# Altium PCB PCB.PcbDoc
Units mil, origin at the board's own origin, x right, y up, seen from the top; angles counter-clockwise.
Board outline 2740 x 3900 mil, 2 copper layers (Top Layer, Bottom Layer); 91 components, 86 nets, 336 pads, 113 vias.
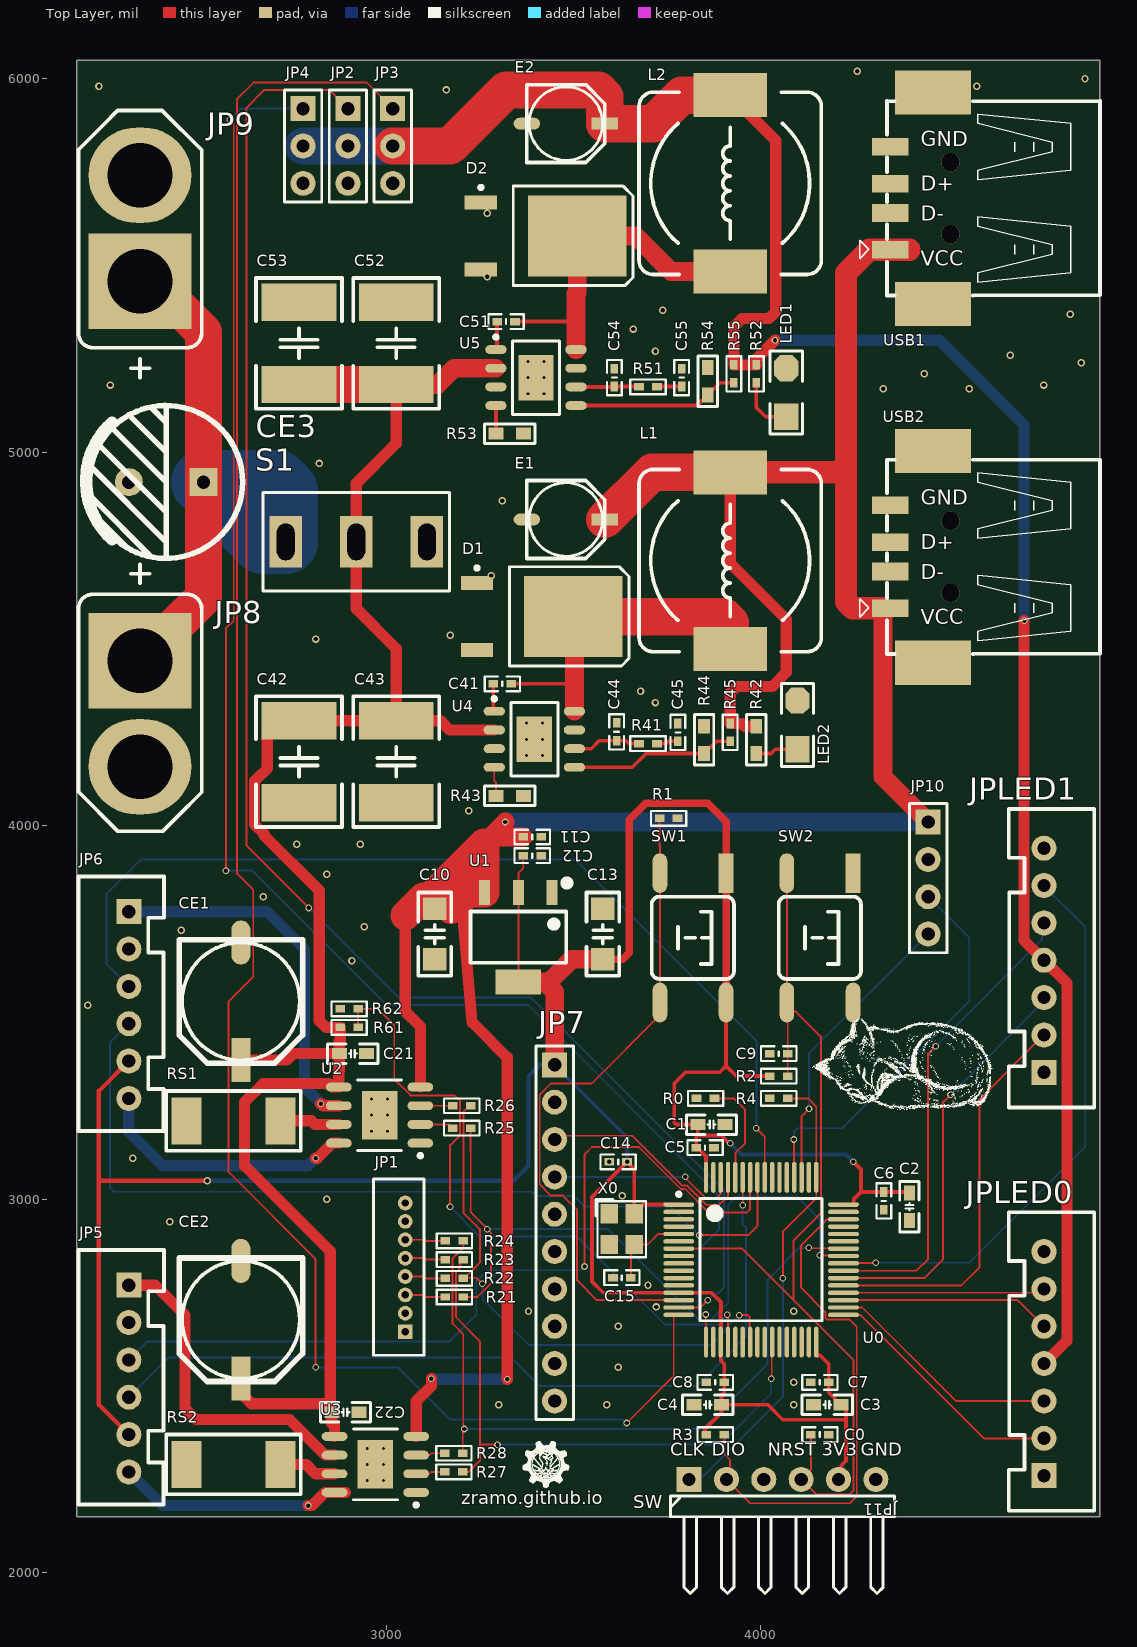
[diagram p0: Top Layer view]
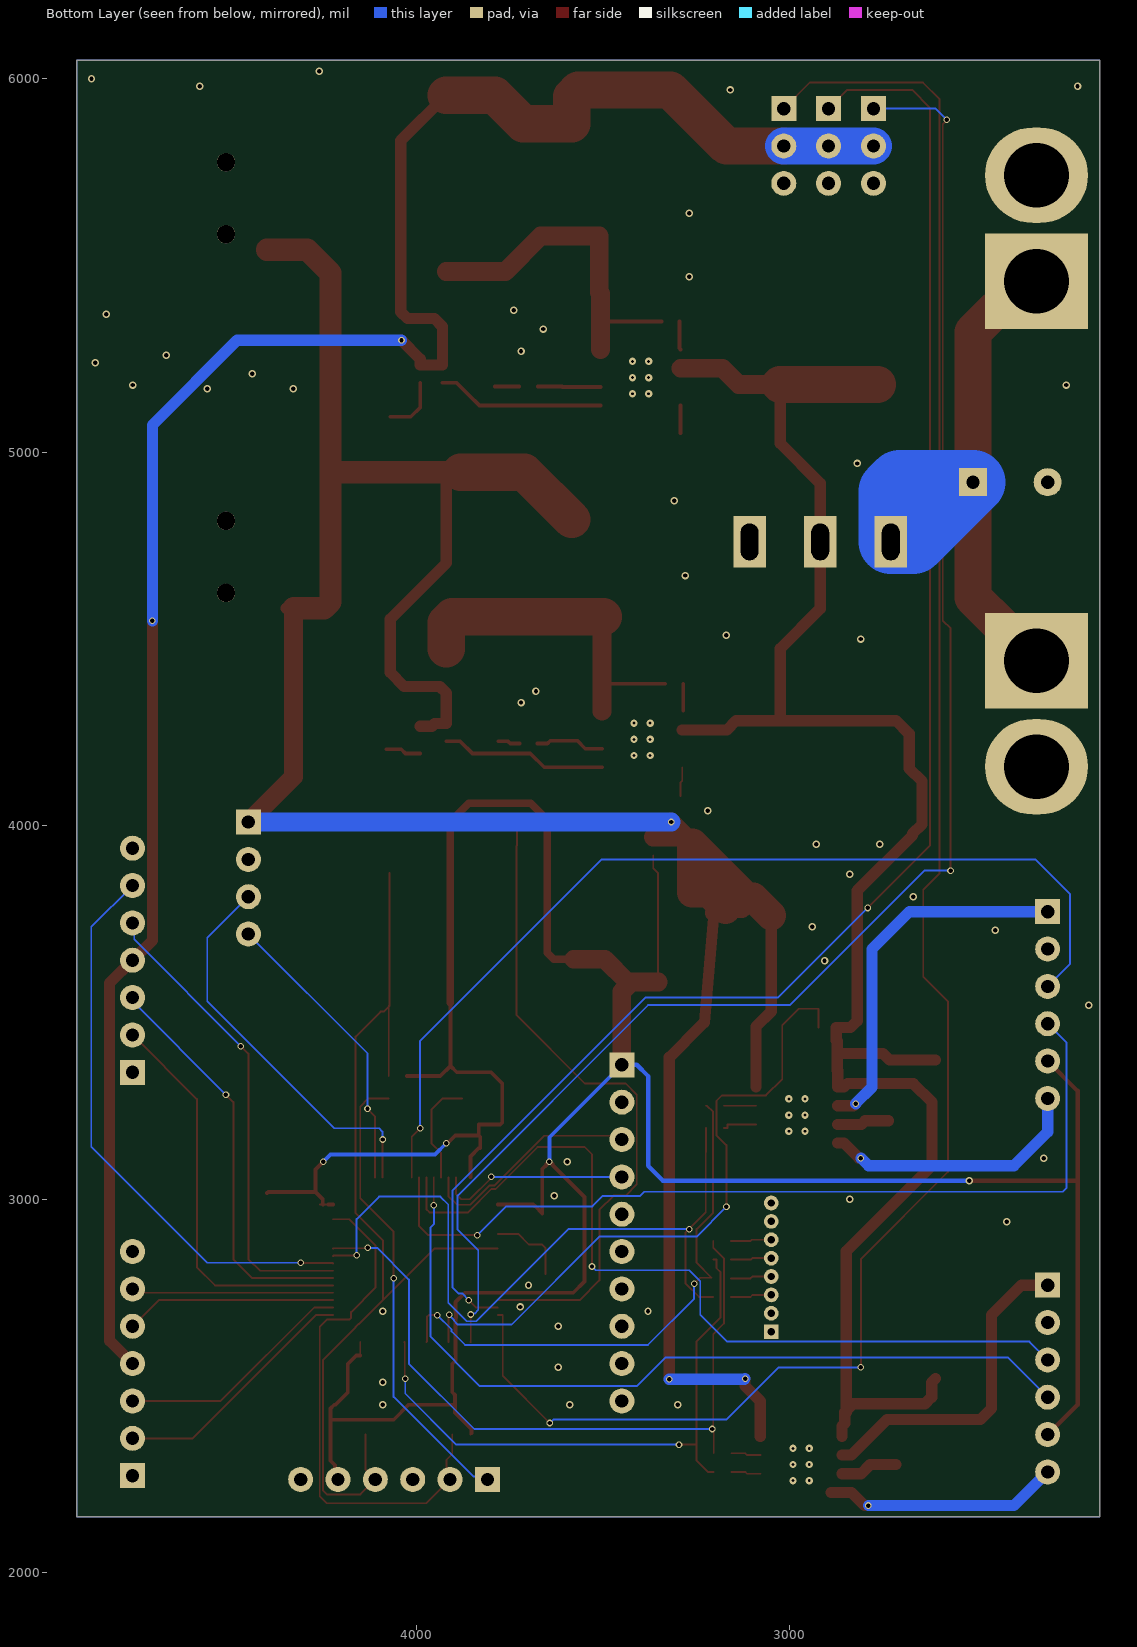
[diagram p1: Bottom Layer view, seen from below]

## Layer stack, top to bottom
Top Solder: solder mask 0.4, Solder Resist, Dk 3.5
Top Layer: signal copper 1.4
Dielectric 1: dielectric 12.6, FR-4, Dk 4.8
Bottom Layer: signal copper 1.4
Bottom Solder: solder mask 0.4, Solder Resist, Dk 3.5

## Board outline
2170,2150 2170,6050 4910,6050 4910,2150

## Design rules (kind name [scope] priority, off if disabled: settings)
Clearance [All] p1: gap=4 ignorepadtopadclearanceinfootprint=FALSE
HoleSize [All] p1: absolutevalues=TRUE maxlimit=248.03 minlimit=0.98 maxpercent=80.000 minpercent=20.000
MinimumSolderMaskSliver [All] p1: minsoldermaskwidth=1.8
PlaneConnect [All] p1: planeconnectstyle=Direct reliefexpansion=20 reliefentries=4 reliefconductorwidth=10 reliefairgap=10
PolygonConnect [All] p1: connectstyle=Direct reliefconductorwidth=10 reliefentries=4 polygonreliefangle="90 Angle" airgapwidth=10
RoutingVias [All] p1: holewidth=11.81 width=17.72 viastyle="Through Hole" minholewidth=11.81 minwidth=17.72 maxholewidth=28 maxwidth=50
SMDNeckDown [All] p1: percent=1000.000
SilkToSilkClearance [All] p1: silktosilkclearance=0
SilkToSolderMaskClearance [IsPad] p1: minsilkscreentomaskgap=0 clearancetoexposedcopper=TRUE
SolderMaskExpansion [All] p1: expansion=4 istentingtop=FALSE
Width WidthSignal [InNetClass('Signal')] p1: maxlimit=1000 minlimit=4 preferedwidth=5 minimp=50.000000 maximp=50.000000 favimp=50.000000
Width WidthPower [InNetClass('POWER')] p2: maxlimit=10000 minlimit=20 preferedwidth=30
Width [All] p3: maxlimit=1000 minlimit=4 preferedwidth=5
25 further rules are at their usual default settings.

## Classes and differential pairs
net class Signal: BOOT0 GND M1A_CTRL M1B_CTRL M2A_CTRL M2B_CTRL NetC41_1 NetC41_2 NetC44_2 NetC45_2 NetC51_1 NetC51_2 NetC54_2 NetC55_2 NetCE3_1 NetJP1_3 NetJP1_4 NetJP1_5 NetJP1_6 NetLED1_1 NetLED2_1 NetR25_2 NetR26_2 NetR27_2 NetR28_2 NetR43_2 NetR44_1 NetR53_2 NetR54_1 NetRS1_2 NetRS2_2 NRST PA0_WAKEUP PA1 PA2 PA3 PA4 PA5 PA6 PA10 PA11 PA12 PA13 PA14 PA15 PB1 PB2 PB3 PB4 PB5 PB6 PB7 PB8 PB9 PB10 PB11 PB12 PB13 PB14 PB15 PC0 PC1 PC2 PC3 PC4 PC5 PC6 PC7 PC8 PC9 PC10 PC11 PC12 PC13 PC14 PC15 PD2 VCC3V3
net class POWER: 5V_DCDC 6V_DCDC A4950_1_O1 A4950_1_O2 A4950_2_O1 A4950_2_O2 VBAT
component class pin_base: C21 C22 CE1 CE2 JP1 JP2 JP3 JP4 JP5 JP6 JP7 JP10 JPLED0 JPLED1 R21 R22 R23 R24 R25 R26 R27 R28 RS1 RS2 U2 U3
component class Designator: C41 C42 C43 C44 C45 C51 C52 C53 C54 C55 CE3 D1 D2 E1 E2 JP8 JP9 L1 L2 LED1 LED2 R41 R42 R43 R44 R45 R51 R52 R53 R54 R55 R61 R62 S1 U4 U5 USB1 USB2
component class control: C0 C1 C2 C3 C4 C5 C6 C7 C8 C9 C10 C11 C12 C13 C14 C15 JP11 R0 R1 R2 R3 R4 SW1 SW2 U0 U1 X0

## Components (designator, comment, footprint, x,y, rotation, side; value= is the part's Value field where it differs from the comment)
C0 "100nF" "C 0402_M" 4160,2370 r180 top
C1 "4.7uF" "C 0603_M" 3870,3200 r180 top
C2 "4.7uF" "C 0603_M" 4400,2980 r90 top
C3 "4.7uF" "C 0603_M" 4180,2450 r0 top
C4 "4.7uF" "C 0603_M" 3860,2450 r0 top
C5 "100nF" "C 0402_M" 3852.83,3138.23 r180 top
C6 "100nF" "C 0402_M" 4331.41,2995.74 r90 top
C7 "100nF" "C 0402_M" 4160,2510 r0 top
C8 "100nF" "C 0402_M" 3880,2510 r0 top
C9 "100nF" "C 0402_M" 4050,3390 r0 top
C10 "22uF" "C 1206_M" 3129.06,3710 r90 top
C11 "100nF" "C 0402_M" 3390,3970 r180 top
C12 "100nF" "C 0402_M" 3390,3920 r180 top
C13 "22uF" "C 1206_M" 3579.06,3710 r270 top
C14 "100nF" "C 0402_M" 3620,3100 r180 top
C15 "15pF" "C 0402_M" 3630,2790 r0 top
C21 "220nF 50V" "C 0603_M" 2910,3390 r180 top
C22 "220nF 50V" "C 0603_M" 2890,2430 r180 top
C41 "100nF" "C 0402_M" 3310,4380 r180 top
C42 "10uF" "C 2220_M" 2765.76,4171.47 r90 top
C43 "10uF" "C 2220_M" 3025.76,4171.47 r90 top
C44 "43pF" "C 0402_M" 3615.76,4251.47 r270 top
C45 "1.2nF" "C 0402_M" 3780,4250 r270 top
C51 "100nF" "C 0402_M" 3320,5350 r180 top
C52 "10uF" "C 2220_M" 3025.76,5291.47 r270 top
C53 "10uF" "C 2220_M" 2765.76,5291.47 r270 top
C54 "43pF" "C 0402_M" 3610,5200 r270 top
C55 "1.2nF" "C 0402_M" 3790,5200 r270 top
CE1 "100uF/50V" "CM E(8*10.2)" 2610,3530 r270 top
CE2 "100uF/50V" "CM E(8*10.2)" 2610,2677.48 r270 top
CE3 "470uF/50V" "CAP 5.0*10*16" 2410,4920 r180 top
D1 "50WQ10FNPBF" D-PAK 3415.35,4560 r0 top
D2 "50WQ10FNPBF" D-PAK 3425.76,5578.96 r0 top
E1 "82uF/16V" "CM C(5*5.4)" 3480,4820 r0 top
E2 "82uF/16V" "CM C(5*5.4)" 3480,5880 r0 top
JP1 "HDR-1X8" "MX 1.25-LI-8P" 3050,2818.15 r90 top
JP2 "HDR-1X3" HDR2.54-LI-3P 2896.5,5820 r270 top
JP3 "HDR-1X3" HDR2.54-LI-3P 3016.5,5820 r270 top
JP4 "HDR-1X3" HDR2.54-LI-3P 2776.5,5820 r270 top
JP5 "HDR-1X6" XH2.54-LI-6P 2310,2520 r270 top
JP6 "HDR-1X6" XH2.54-LI-6P 2310,3520 r270 top
JP7 "HDR-1X10" HDR2.54-M-LI-10P 3450,2910 r270 top
JP8 "HDR-1X2" TX60-LI-S 2340,4300 r270 top
JP9 "HDR-1X2" TX60-LI-S 2340,5600 r90 top
JP10 "HDR-1X4" HDR2.54-LI-4P 4450,3860 r270 top
JP11 "HDR-1X6" HDR2.54-WI-6P 4060,2250 r0 top
JPLED0 "HDR-1X7" XH2.54-LI-7P 4760,2560 r90 top
JPLED1 "HDR-1X7" XH2.54-LI-7P 4760,3640 r90 top
L1 "15uH" CDRH127 3920,4710 r90 top
L2 "15uH" CDRH127 3920,5720 r90 top
LED1 "Red" "LED 1206R" 4070,5160 r90 top
LED2 "Green" "LED 1206G" 4100,4270 r90 top
R0 "10K" "R 0402_M" 3854,3270 r0 top
R1 "10K" "R 0402_M" 3755.06,4020 r180 top
R2 "10K" "R 0402_M" 4050,3330 r180 top
R3 "10K" "R 0402_M" 3880,2370 r180 top
R4 "10K" "R 0402_M" 4050,3270 r0 top
R21 "1K" "R 0402_M" 3181.38,2738.37 r180 top
R22 "1K" "R 0402_M" 3181.38,2788.37 r180 top
R23 "1K" "R 0402_M" 3181.38,2838.37 r180 top
R24 "1K" "R 0402_M" 3181.38,2888.37 r180 top
R25 "1K" "R 0402_M" 3201.26,3190.39 r180 top
R26 "1K" "R 0402_M" 3201.26,3250.39 r180 top
R27 "1K" "R 0402_M" 3180,2270 r180 top
R28 "1K" "R 0402_M" 3180,2320 r180 top
R41 "23K7" "R 0402_M" 3700,4220 r180 top
R42 "6.3K" "R 0603_M" 3990,4230 r270 top
R43 "270K" "R 0603_M" 3330,4080 r180 top
R44 "11K5" "R 0603_M" 3850,4230 r90 top
R45 "60K4" "R 0402_M" 3920,4250 r90 top
R51 "23K7" "R 0402_M" 3700,5175.3 r180 top
R52 "10K" "R 0402_M" 3990,5210 r270 top
R53 "270K" "R 0603_M" 3330,5050 r180 top
R54 "10K 0.1%" "R 0603_M" 3860,5190 r90 top
R55 "65K 0.1%" "R 0402_M" 3930,5210 r90 top
R61 "50K" "R 0402_M" 2900,3460 r180 top
R62 "10K" "R 0402_M" 2900,3510 r0 top
RS1 "0.25R ±1% 2W" "R 2512_M" 2590,3210 r0 top
RS2 "0.25R ±1% 2W" "R 2512_M" 2590,2290 r0 top
S1 "SW-SPDT" SS12D10 2918.98,4760 r0 top
SW1 "6x6x5" "TSW SMD-6*6*4.3" 3820,3700 r270 top
SW2 "6x6x5" "TSW SMD-6*6*4.3" 4160,3700 r270 top
U0 "STM32F103RCT6" LQFP64_M 4002.83,2838.23 r0 top
U1 "AMS1117-3V3" SOT223_L 3352.77,3701.77 r180 top
U2 "A4950" A4950 2981.26,3225.39 r180 top
U3 "A4950" A4950 2970,2290 r180 top
U4 "TPS54360DDAR" SOP127P600X170_HS-9N 3395.76,4231.47 r0 top
U5 "TPS54360DDAR" SOP127P600X170_HS-9N 3400,5200 r0 top
USB1 "USB" USB-A/S_B 4510,5680 r90 top
USB2 "USB" USB-A/S_B 4510,4720 r90 top
X0 "8M" "OSC 3225-4P" 3630,2920 r270 top

## Footprints (in the part's own frame and the unit in brackets; to place one, negate y for a bottom-side part, rotate by r counter-clockwise, add the part's x,y. Pads: shape width x height; smd on the part's side, far side on the other; paste and mask are expansions set on the pad)
A4950 [mm] "Package LJ, 8-Pin SOICN  with exposed thermal pad"
  oval 1.75x0.6 smd: 1(-2.775,1.905) 2(-2.775,0.635) 3(-2.775,-0.635) 4(-2.775,-1.905) 5(2.775,-1.905) 6(2.775,-0.635) 7(2.775,0.635) 8(2.775,1.905)
  rect 2.41x3.3 smd: 9(0,0)
  silkscreen extent -2.9,-2.4 1.5,2.88, body extent -3,-2.4 3,2.4, height 1.7
"C 0402_M" [mil] "锟睫硷拷锟斤拷锟斤拷片锟斤拷锟斤拷                                  锟皆憋拷ID:锟狡撅拷锟斤拷石"
  rect 26x20 smd: 1(-24,0) 2(24,0)
  silkscreen extent -47,-20 47,20, body extent -20,-10 20,10, height 21
"C 0603_M" [mil] "锟睫硷拷锟斤拷锟斤拷片锟斤拷锟斤拷                                锟皆憋拷ID:锟狡撅拷锟斤拷石"
  rect 40x30 smd: 1(-36.5,0) 2(36.5,0)
  silkscreen extent -68,-26 67,26, body extent -31,-16 31,16, height 32
"C 1206_M" [mil] "锟睫硷拷锟斤拷锟斤拷片锟斤拷锟斤拷"
  rect 60x62.99 smd: 1(-67.5,0) 2(67.5,0)
  silkscreen extent -112,-44 112,44, body extent -63,-32 63,32, height 48
"C 2220_M" [mil]
  rect 100x200 smd: 1(-110,0) 2(110,0)
  silkscreen extent -175,-115 175,115
"CAP 5.0*10*16" [mm] "锟脚撅拷5mm直锟斤拷10mm锟竭讹拷16mm"
  rect 1.9x1.9 hole 0.9: 1(-2.54,0)
  round 1.9 hole 0.9: 2(2.54,0)
  silkscreen extent -5.19,-5.21 5.5,5.19, body extent -5,-5 5.01,5, height 16.04
CDRH127 [mm] "12*12*8mm锟斤拷锟斤拷锟斤拷撸锟絴SOURCECOMPLIBIDENTIFIERKIND=2"
  rect 3x5 smd: 1(-6,0) 2(6,0)
  silkscreen extent -6.2,-6.2 6.2,6.2, body extent -6,-6 6,6, height 7.8
"CM C(5*5.4)" [mm] "锟斤拷片锟斤拷锟斤拷锟捷ｏ拷直锟斤拷5mm锟斤拷锟斤拷5.4mm            锟皆憋拷ID:锟狡撅拷锟斤拷石"
  rect 1.8x0.8 smd: 1(2.65,0)
  oval 1.8x0.8 smd: 2(-2.65,0)
  silkscreen extent -2.65,-2.65 2.65,2.65, body extent -2.95,-2.65 2.95,2.65, height 5.4
"CM E(8*10.2)" [mm] "锟斤拷片锟斤拷锟斤拷锟捷ｏ拷直锟斤拷8mm锟斤拷锟斤拷10.2mm        锟皆憋拷ID:锟狡撅拷锟斤拷石"
  rect 3x1.3 smd: 1(4,0)
  oval 3x1.3 smd: 2(-4,0)
  silkscreen extent -4.2,-4.2 4.2,4.2, body extent -4.5,-4.15 4.5,4.15, height 10.2
D-PAK [mm] "D-PAK  / SOT-428 / TO252 - 3"
  rect 2.2x0.95 smd: 1(-4.4,2.28) 3(-4.4,-2.28)
  rect 6.7x5.5 smd: 2(2.15,0)
  silkscreen extent -4.52,-3.35 5.94,3.43, body extent -4.47,-3.3 4.78,3.3, height 2.31
HDR2.54-LI-3P [mm] "���룬3��"
  rect 1.7x1.7 hole 0.9: 1(-2.54,0)
  round 1.7 hole 0.9: 2(0,0) 3(2.54,0)
  silkscreen extent -3.81,-1.27 3.81,1.27, body extent -3.81,-1.27 3.81,1.27, height 8.5
HDR2.54-LI-4P [mm] "���룬4��"
  rect 1.7x1.7 hole 0.9: 1(-3.81,0)
  round 1.7 hole 0.9: 2(-1.27,0) 3(1.27,0) 4(3.81,0)
  silkscreen extent -5.08,-1.27 5.08,1.27, body extent -5.08,-1.27 5.08,1.27, height 8.5
HDR2.54-M-LI-10P [mm] "��ĸ��10��"
  rect 1.7x1.7 hole 0.9: 1(-11.43,0)
  round 1.7 hole 0.9: 2(-8.89,0) 3(-6.35,0) 4(-3.81,0) 5(-1.27,0) 6(1.27,0) 7(3.81,0) 8(6.35,0) 9(8.89,0) 10(11.43,0)
  silkscreen extent -12.7,-1.27 12.7,1.27, body extent -12.7,-1.27 12.7,1.27, height 8.5
HDR2.54-WI-6P [mm] "锟斤拷锟斤拷锟斤拷耄?锟斤拷"
  rect 1.7x1.7 hole 0.9: 1(-6.35,0)
  round 1.7 hole 0.9: 2(-3.81,0) 3(-1.27,0) 4(1.27,0) 5(3.81,0) 6(6.35,0)
  silkscreen extent -7.62,-7.76 7.62,-1.14, body extent -7.62,-7.77 7.62,1.27, height 4.85
"LED 1206G" [mil] "锟斤拷色1206LED      锟皆憋拷ID:锟狡撅拷锟斤拷石"
  rect 70x65 smd: 1(-65,0)
  oct 70x65 smd: 2(65,0)
  silkscreen extent -111,-43 111,43, body extent -63,-32 63,32, height 36
"LED 1206R" [mil] "锟斤拷色1206LED       锟皆憋拷ID:锟狡撅拷锟斤拷石"
  rect 70x65 smd: 1(-65,0)
  oct 70x65 smd: 2(65,0)
  silkscreen extent -111,-43 111,43, body extent -63,-32 63,32, height 36
LQFP64_M [mm] "锟斤拷装锟斤拷锟斤拷锟斤拷锟皆憋拷 ID锟斤拷锟狡撅拷锟斤拷石 Thin QFP, 64-Leads, Body 10x10mm, Pitch 0.5mm, IPC Low Density"
  oval 2.1x0.3 smd: 1(-5.6,3.75) 2(-5.6,3.25) 3(-5.6,2.75) 4(-5.6,2.25) 5(-5.6,1.75) 6(-5.6,1.25) 7(-5.6,0.75) 8(-5.6,0.25) 9(-5.6,-0.25) 10(-5.6,-0.75) 11(-5.6,-1.25) 12(-5.6,-1.75) 13(-5.6,-2.25) 14(-5.6,-2.75) 15(-5.6,-3.25) 16(-5.6,-3.75) 33(5.6,-3.75) 34(5.6,-3.25) 35(5.6,-2.75) 36(5.6,-2.25) 37(5.6,-1.75) 38(5.6,-1.25) 39(5.6,-0.75) 40(5.6,-0.25) 41(5.6,0.25) 42(5.6,0.75) 43(5.6,1.25) 44(5.6,1.75) 45(5.6,2.25) 46(5.6,2.75) 47(5.6,3.25) 48(5.6,3.75)
  oval 0.3x2.1 smd: 17(-3.75,-5.6) 18(-3.25,-5.6) 19(-2.75,-5.6) 20(-2.25,-5.6) 21(-1.75,-5.6) 22(-1.25,-5.6) 23(-0.75,-5.6) 24(-0.25,-5.6) 25(0.25,-5.6) 26(0.75,-5.6) 27(1.25,-5.6) 28(1.75,-5.6) 29(2.25,-5.6) 30(2.75,-5.6) 31(3.25,-5.6) 32(3.75,-5.6) 49(3.75,5.6) 50(3.25,5.6) 51(2.75,5.6) 52(2.25,5.6) 53(1.75,5.6) 54(1.25,5.6) 55(0.75,5.6) 56(0.25,5.6) 57(-0.25,5.6) 58(-0.75,5.6) 59(-1.25,5.6) 60(-1.75,5.6) 61(-2.25,5.6) 62(-2.75,5.6) 63(-3.25,5.6) 64(-3.75,5.6)
  silkscreen extent -5.72,-4.15 4.15,4.57, body extent -6,-6 6,6, height 1.45
"MX 1.25-LI-8P" [mm] "锟斤拷锟斤拷11.75mm锟斤拷锟斤拷锟?.2mm锟斤拷锟竭ｏ拷4.2mm"
  rect 1x1 hole 0.5: 1(-4.385,0)
  round 1 hole 0.5: 2(-3.135,0) 3(-1.885,0) 4(-0.635,0) 5(0.615,0) 6(1.865,0) 7(3.115,0) 8(4.365,0)
  silkscreen extent -5.99,-1.27 5.99,2.16, body extent -5.87,-1.15 5.87,2.05, height 4.25
"OSC 3225-4P" [mm] "3.2*2.5*0.7mm(锟斤拷锟斤拷锟?                         锟皆憋拷ID:锟狡撅拷锟斤拷石"
  rect 1.3x1.2 smd: 1(-1.05,-0.85) 2(1.05,-0.85) 3(1.05,0.85) 4(-1.05,0.85)
  silkscreen extent -2.03,-1.75 1.91,1.65, body extent -1.6,-1.25 1.6,1.25, height 0.7
"R 0402_M" [mil] "1/16W锟斤拷片锟斤拷锟斤拷       锟皆憋拷ID:锟狡撅拷锟斤拷石"
  rect 26x20 smd: 1(-24,0) 2(24,0)
  silkscreen extent -47,-20 47,20, body extent -20,-10 20,10, height 12
"R 0603_M" [mil] "1/10W锟斤拷片锟斤拷锟斤拷                             锟皆憋拷ID:锟狡撅拷锟斤拷石"
  rect 40x31.5 smd: 1(-36.5,0) 2(36.5,0)
  silkscreen extent -68,-26 68,26, body extent -31,-16 32,16, height 16
"R 2512_M" [mm] "1W锟斤拷片锟斤拷锟斤拷  锟皆憋拷ID:锟狡撅拷锟斤拷石"
  rect 2.032x3.2 smd: 1(-3.2,0) 2(3.2,0)
  silkscreen extent -4.57,-2.03 4.57,2.03, body extent -3.2,-1.6 3.2,1.6, height 0.55
SOP127P600X170_HS-9N [mm] "SOP, 8-Leads, Body 4.90x3.90mm, Pitch 1.27mm, Thermal Pad 3.10x2.40mm, IPC Medium Density"
  oval 1.45x0.6 smd: 1(-2.725,1.905) 2(-2.725,0.635) 3(-2.725,-0.635) 4(-2.725,-1.905) 5(2.725,-1.905) 6(2.725,-0.635) 7(2.725,0.635) 8(2.725,1.905)
  rect 2.4x3.1 smd: 9(0,0)
  silkscreen extent -2.85,-2.5 1.6,2.88, body extent -2,-2.5 2,2.5, height 1.7
SOT223_L [mm] "6.4x7x1.6mm(锟斤拷锟斤拷锟?"
  rect 0.75x1.7 smd: 1(-2.3,-3.048) 2(0,-3.048) 3(2.3,-3.048)
  rect 3.1x1.7 smd: 2(0,3.048)
  silkscreen extent -3.5,-3.88 3.25,1.75, body extent -3.25,-3.51 3.25,3.51, height 1.65
SS12D10 [mm]
  rect 2.2x3.5 hole 1.2 slot 2.5 at 90 deg mask+0.07: 1(-4.8,0) 2(0,0) 3(4.8,0)
  silkscreen extent -6.35,-3.35 6.35,3.35, body extent -6.4,-3.3 6.35,3.8, height 12.5
"TSW SMD-6*6*4.3" [mm] "6*6*4.3mm"
  rect 2.7x1 smd: 1(-4.4,2.261)
  oval 2.7x1 smd: 2(-4.4,-2.239) 3(4.4,-2.239) 4(4.4,2.261)
  silkscreen extent -2.79,-2.79 2.79,2.79, body extent -4.5,-3 4.5,3, height 4.25
TX60-LI-S [mm] "锟斤拷锟斤拷16mm锟斤拷锟斤拷锟?.2mm锟斤拷锟竭ｏ拷16mm"
  rect 6.5x7 hole 4.4: 1(-3.6,0)
  oval 6.5x7 hole 4.4: 2(3.6,0)
  silkscreen extent -10.16,-4.19 8,4.19, body extent -8,-4.1 8,4.1, height 16.05
USB-A/S_B [mm] "A锟斤拷锟斤拷片母头锟斤拷"
  rect 1.2x2.5 smd: 1(-3.5,4.1) 2(-1,4.1) 3(1,4.1) 4(3.5,4.1)
  rect 3x5.15 smd: 4(-7.2,1.2) 4(7.2,1.2)
  round 1.25 hole 1.25 unplated: 7(-2.45,0) 8(2.45,0)
  silkscreen extent -6.6,-10.16 6.61,6.19, body extent -7.75,-9.9 7.75,4.8, height 6.9
XH2.54-LI-6P [mm] "锟接诧拷锟斤拷锟?P"
  rect 1.7x1.7 hole 0.9: 1(-6.35,0)
  round 1.7 hole 0.9: 2(-3.81,0) 3(-1.27,0) 4(1.27,0) 5(3.81,0) 6(6.35,0)
  silkscreen extent -8.74,-3.43 8.56,2.39, body extent -8.85,-3.3 8.85,2.4, height 7.03
XH2.54-LI-7P [mm] "锟接诧拷锟斤拷锟?P"
  rect 1.7x1.7 hole 0.9: 1(-7.62,0)
  round 1.7 hole 0.9: 2(-5.08,0) 3(-2.54,0) 4(0,0) 5(2.54,0) 6(5.08,0) 7(7.62,0)
  silkscreen extent -10.01,-3.43 10.29,2.39, body extent -10.12,-3.3 10.12,2.4, height 7.05

## Part data
C0 C1 C2 C3 C4 C5 C6 C7 C8 C9 C10 C11 C12 C13 C14 C15 C21 C22: library part C, "璐寸墖鐢靛"
C41 C51: library part C_100nF_0402, "MuRata GRM155R71C104KA88D Cap: 100 nF  Total Derated Cap: 74 nF  VDC: 16 V  ESR: 1 mΩ  Package: 0402"
C42 C43 C52 C53: library part C_10uF_100V_2220, "TDK C5750X7S2A106M230KB Cap: 10 µF  Total Derated Cap: 6.4 µF  VDC: 100 V  ESR: 5 mΩ  Package:"
C44 C54: library part C_43pF_0402, "MuRata GRM1555C1H430JA01D Cap: 43 pF  Total Derated Cap: 43 pF  VDC: 50 V  ESR: 1 mΩ  Package: 0402"
C45 C55: library part C_1.2nF_0402, "MuRata GRM155R71H122KA01D Cap: 1.2 nF  Total Derated Cap: 1.2 nF  VDC: 50 V  ESR: 1 mΩ  Package: 0402"
CE1 CE2: library part CE_SMD, "璐寸墖鐢佃В鐢靛"
CE3: library part CE, "鐩存彃鐢佃В鐢靛"
D1 D2: library part "Diode Schottky_100V_5.5A", "Vishay-Semiconductor 50WQ10FNPBF Type: Schottky  VRRM: 100 V  Io: 5.5 A", Imax=500mA, Price(RMB)=0.000, Published=8-Jun-2000, Publisher="Altium Limited", Revision="July-2002: Re-released for DXP Platform."
E1 E2: library part CE_SMD_82uF_16V, "Panasonic 16SVPF82M Cap: 82 µF  Total Derated Cap: 82 µF  VDC: 16 V  ESR: 27 mΩ  Package: 5x5.9"
JP1: library part "Header 8_1.25", "8P鎺ユ彃浠秥FOOTPRINTDESCRIPTION=锟斤拷锟斤拷11.75mm锟斤拷锟斤拷锟?.2mm锟斤拷锟竭ｏ拷4.2mm"
JP2 JP3 JP4: library part "Header 3", "3P鎺ユ彃浠秥FOOTPRINTDESCRIPTION=锟斤拷锟诫，3锟斤拷"
JP5 JP6: library part "Header 6", "6P鎺ユ彃浠秥FOOTPRINTDESCRIPTION=锟接诧拷锟斤拷锟?P", BOM鍚嶇О=6P鎺ユ彃浠秥ISIMPORTED=TRUE, 瀛︿範璧勬簮=https://shop463601444.taobao.com, 鐗堟潈褰掑睘=灏佽搴撴潵鑷窐瀹?ID锛氶粍鏅跺疂鐭硘ISIMPORTED=TRUE
JP7: library part "Header 10", "10P鎺ユ彃浠秥FOOTPRINTDESCRIPTION=锟斤拷母锟斤拷10锟斤拷"
JP8 JP9: library part "Header 2", "2P鎺ユ彃浠秥FOOTPRINTDESCRIPTION=锟斤拷锟斤拷16mm锟斤拷锟斤拷锟?.2mm锟斤拷锟竭ｏ拷16mm"
JP10: library part "Header 4", "4P鎺ユ彃浠秥FOOTPRINTDESCRIPTION=锟斤拷锟诫，4锟斤拷", BOM鍚嶇О=4P鎺ユ彃浠秥ISIMPORTED=TRUE, 瀛︿範璧勬簮=https://shop463601444.taobao.com, 鐗堟潈褰掑睘=灏佽搴撴潵鑷窐瀹?ID锛氶粍鏅跺疂鐭硘ISIMPORTED=TRUE
JP11: library part "Header 6", "6P鎺ユ彃浠秥FOOTPRINTDESCRIPTION=锟斤拷锟斤拷锟斤拷耄?锟斤拷", BOM鍚嶇О=6P鎺ユ彃浠秥ISIMPORTED=TRUE, 瀛︿範璧勬簮=https://shop463601444.taobao.com, 鐗堟潈褰掑睘=灏佽搴撴潵鑷窐瀹?ID锛氶粍鏅跺疂鐭硘ISIMPORTED=TRUE
JPLED0 JPLED1: library part "Header 7", "7P鎺ユ彃浠秥FOOTPRINTDESCRIPTION=锟接诧拷锟斤拷锟?P"
  JPLED0: BOM鍚嶇О=7P鎺ユ彃浠秥ISIMPORTED=TRUE, 瀛︿範璧勬簮=https://shop463601444.taobao.com, 鐗堟潈褰掑睘=灏佽搴撴潵鑷窐瀹?ID锛氶粍鏅跺疂鐭硘ISIMPORTED=TRUE
L1 L2: library part L-CDRH_15uH_5.65A, "鍔熺巼灞忚斀鐢垫劅Sumida CDRH127/LDNP-150MC L: 15 碌H  DCR: 26.4 m惟  IDC: 5.65 A", BOM鍚嶇О=鍔熺巼灞忚斀鐢垫劅, 鐗堟潈褰掑睘=灏佽搴撴潵鑷窐瀹?ID锛氶粍鏅跺疂鐭硘ISIMPORTED=TRUE, 鑱旂郴鍞悗=https://shop463601444.taobao.com
LED1 LED2: library part LED-SMD, "璐寸墖LED", BOM鍚嶇О=璐寸墖LED, 瀛︿範璧勬簮=https://shop463601444.taobao.com, 鐗堟潈褰掑睘=灏佽搴撴潵鑷窐瀹?ID锛氶粍鏅跺疂鐭硘ISIMPORTED=TRUE
R0 R1 R2 R3 R4 R21 R22 R23 R24 R25 R26 R27 R28 R54 R55 RS1 RS2: library part R, "璐寸墖鐢甸樆"
R41 R51: library part R_23K7_0402_1%, "Yageo AC0402FR-0723K7L Resistance: 23.7 kΩ  Tolerance: 1.0%  Power: 63 mW"
R42 R52 R61 R62: library part R_10K_0603, "璐寸墖鐢甸樆"
R43 R53: library part R_270K_0603_1%, "Yageo RC0603FR-07270KL Resistance: 270 kΩ  Tolerance: 1.0%  Power: 100 mW"
R44: library part R_11K5_0603_1%, "Yageo RC0603FR-0711K5L Resistance: 11.5 kΩ  Tolerance: 1.0%  Power: 100 mW"
R45: library part R_60K4_0402_1%, "Vishay-Dale CRCW040260K4FKED Resistance: 60.4 kΩ Tolerance: 1.0%  Power: 63 mW"
S1: "鍗曞垁鍙屾幏寮€鍏?3鑴氳埞鍨嬨€侀挳瀛愩€佹嫧鍔ㄥ紑鍏?SPDT Subminiature Toggle Switch", Price(RMB)=0.000, Published=24-Mar-1999, Publisher="Altium Limited"
SW1 SW2: library part "TSW SMD-6x6", "璐寸墖6x6杞昏Е寮€鍏硘FOOTPRINTDESCRIPTION=6*6*4.3mm"
U0: "STM32 ARM-based 32-bit MCU Performance Line with 256 kB Flash, 48 kB Internal RAM, -40 to +85癈 Temperature, 64-Pin LQFP, Tray", ComponentLink1Description="Manufacturer URL", ComponentLink1URL=http://www.st.com/, ComponentLink2Description="STM32F103 Datasheet", ComponentLink2URL=http://www.st.com/internet/com/TECHNICAL_RESOURCES/TECHNICAL_LITERATURE/DATASHEET/CD00191185.pdf, ComponentLink3Description="STM32 Family Web Page", ComponentLink3URL=www.st.com/stm32, DatasheetVersion="rev8.0, Apr-2011", PackageDescription="64-Pin Low-Profile Quad Flat Pack, 10 x 10 mm Body, 0.5 mm Pitch (LQFP64)", PackageReference=LQFP64, PackageVersion="rev13, Apr-2011"
U1: library part AMS1117, "涓夌绋冲帇鑺墖", BOM鍚嶇О=绋冲帇鑺墖, 娆㈣繋鍏変复娣樺疂搴楅摵=https://shop463601444.taobao.com, 娣樺疂ID=灏佽搴撴潵鑷窐瀹?ID锛氶粍鏅跺疂鐭硘ISIMPORTED=TRUE
U2 U3: "Full-Bridge DMOS PWM Motor Driver"
USB1 USB2: library part USB-A/S, "USB-A鍨嬫瘝鎺ュ彛"
X0: library part XTAL-ACT-4P, "4鑴氭湁婧愭櫠鎸瘄FOOTPRINTDESCRIPTION=3.2*2.5*0.7mm(锟斤拷锟斤拷锟?                         锟皆憋拷ID:锟狡撅拷锟斤拷石"

## Via types
v1: diameter 20, hole 11.81, Top Layer to Bottom Layer, tented both sides, 50 vias
v2: diameter 17.72, hole 11.81, Top Layer to Bottom Layer, tented both sides, 35 vias
v3: diameter 19.68, hole 7.87, Top Layer to Bottom Layer, 24 vias
v4: diameter 17.72, hole 11.81, Top Layer to Bottom Layer, 4 vias

## Nets (pads, with @x,y where several pads share a name; then routed paths per layer and width w, separated by ;. In a path a pad name is that pad's centre, name@x,y a point inside that pad or via, vN(x,y) a via of type N, cw(c..) or ccw(c..) an arc to the next point about the centre after c; other vN are vias at no path point)
5V_DCDC: C10.2 C11.2 E1.1 JP10.1 L1.2 R42.1 R45.2 U1.3 U2.4 U3.4 USB1.1 USB2.1 | length 7527.5
  Top Layer w30: 3050,3759.93 3050,3503 3090.51,3462.49 U2.4 ; U3.4 3079.25,2459.25 3120,2500 v2(3120,2520) ; 3203.05,3767.24 3229,3474 3236.71,3466.29 3323,3380 v2(3323,2518) ; 3262.22,3952.22 3280,3970 ; L1.2 3920,4898.57 3920,4704 4070,4554 4070,4410 4033,4373 3937.57,4373 3920,4355.43 R45.2 3951,4274 3958.5,4266.5 R42.1 ; USB2.1@4329,4582.21 USB2.1
  Top Layer w50: 3098.31,3808.24 C10.2 ; 3129.06,3821.06 C10.2 ; 3173,3777.5 C10.2 ; 3179.22,3783.72 3190.45,3779.85 3203.05,3767.24 ; 3261.22,3953.22 v2(3318,4010) ; 3280,3970 C11.2 ; USB2.1@4329,4582.21 4329,4131 JP10.1
  Top Layer w60: L1.2 4230,4946.22 ; USB2.1@4329,4582.21 4247.57,4582.21 4230,4599.78 4230,4946.22 ; 4400,5542.2 USB1.1 4292.2,5542.2 4230,5480 4230,4946.22
  Top Layer w80: 3050,3759.93 3098.31,3808.24 ; 3129.06,3821.06 3261.22,3953.22 ; 3173,3777.5 3217.27,3821.77 U1.3 3262.22,3952.22
  Top Layer w100: E1.1 3710.94,4946.61 L1.2@3881.02,4946.61
  Bottom Layer w30: v2(3120,2520) 3122,2518 v2(3323,2518)
  Bottom Layer w50: v2(3318,4010) JP10.1
6V_DCDC: E2.1 JP2.2 JP3.2 JP4.2 JPLED0.4 JPLED1.4 L2.2 R52.1 R55.2 | length 5671.8
  Top Layer w30: L2.2 4042,5834.22 4042,5376 4024,5358 3952,5358 3930,5336 R55.2 R52.1 3990,5250 v4(4040,5300) ; v4(4707,4549) 4707,3693 JPLED1.4 4821.47,3578.53 4821.47,2621.47 JPLED0.4
  Top Layer w100: JP3.2 3170,5820 3320,5970 3566.76,5970 3584.33,5952.43 E2.1 3714,5880 3790.22,5956.22 L2.2
  Bottom Layer w30: v4(4040,5300) 4480,5300 4707,5073 v4(4707,4549)
  Bottom Layer w100: JP4.2 JP2.2 JP3.2
A4950_1_O1: JP6.1 U2.6 | length 994
  Top Layer w30: v2(2824,3256) 2829.61,3250.39 U2.6
  Bottom Layer w30: JP6.1 2680,3770 2780,3670 2780,3300 v2(2824,3256)
A4950_1_O2: JP6.6 U2.8 | length 714.3
  Top Layer w30: v2(2810,3110) 2815.35,3110 2855.74,3150.39 U2.8
  Bottom Layer w30: JP6.6 2310,3180 2400,3090 2790,3090 v2(2810,3110)
A4950_2_O1: JP5.1 U3.6 | length 885.7
  Top Layer w30: JP5.1 2380,2770 2460,2690 2460,2440 2490,2410 2740,2410 2835,2315 U3.6
A4950_2_O2: JP5.6 U3.8 | length 631.8
  Top Layer w30: v2(2790,2180) 2800,2180 2835,2215 U3.8 U3.8@2890,2215
  Bottom Layer w30: JP5.6 2400,2180 v2(2790,2180)
BOOT0: R0.2 U0.60 | length 286.5
  Top Layer w5: R0.2 3930,3270 3960,3240 3960,3150 3933.94,3123.94 U0.60
GND: C0.1 C1.1 C2.1 C3.1 C4.1 C5.1 C6.1 C7.1 C8.1 C9.1 C10.1 C11.1 C12.1 C13.1 C14.2 C15.1 C21.1 C22.1 C42.1 C43.1 C44.1 C45.1 C52.1 C53.1 C54.1 C55.1 CE1.2 CE2.2 CE3.2 D1.1 D1.3 D2.1 D2.3 E1.2 E2.2 JP1.2 JP1.7 JP2.3 JP3.3 JP4.3 JP5.2 JP6.2 JP7.2 JP8.2 JP9.2 JP10.2 JP11.6 JPLED0.1 JPLED0.7 JPLED1.1 JPLED1.7 LED1.2 LED2.2 R0.1 R1.1 R4.1 R43.1 R44.2 R53.1 R54.2 R62.1 RS1.1 RS2.1 SW2.1 SW2.4 U0.12 U0.18 U0.31 U0.47 U0.63 U1.1 U2.1 U2.9 U3.1 U3.9 U4.7 U4.9 U5.7 U5.9 USB1.4 USB2.4 X0.2
  other v1: 3300,2450 3590,2450 4090,2450 4090,2510 3620,2550 3620,2660 3380,2700 4090,2700 3721.67,2711.67 3700,2770 2420,2940 2840,3000 3631,3010 3595.84,3100.03 2320,3110 2200,3520 2907.41,3638.68 2450,3720 2940,3730 2670,3810 2840,3870 2760,3950 2930,3950 3220,4040 3720,4330 3680,4360 2810,4500 3170,4510 3280,4670 3310,4870 2820,4970 4330,5170 4560,5170 2260,5180 4760,5180 4440,5210 4860,5240 4670,5260 3720,5270 3660,5330 4830,5370 3740,5380 3270,5470 3270,5640 3160,5970 2230,5980 4580,5980 4870,6000 4260,6020
  other v3: 2948.35,2246.69 2991.65,2246.69 2948.35,2290 2991.65,2290 2948.35,2333.31 2991.65,2333.31 2959.6,3182.09 3002.91,3182.09 2959.6,3225.39 3002.91,3225.39 2959.6,3268.7 3002.91,3268.7 3374.1,4188.16 3417.41,4188.16 3374.1,4231.47 3417.41,4231.47 3374.1,4274.77 3417.41,4274.77 3378.35,5156.69 3421.65,5156.69 3378.35,5200 3421.65,5200 3378.35,5243.31 3421.65,5243.31
M1A_CTRL: R21.1 R25.1 U0.41 | length 1998.2
  Top Layer w5: R21.1 3243.37,2738.37 3280,2775 3280,2910 3225.26,2964.74 3225.26,3126 ; 3225,3126 3225,3190.39 R25.1 ; v2(4160,2850) 4160.97,2849.03 4222.34,2849.03 U0.41
  Bottom Layer w5: v2(3270,2920) 3593.28,2920 3839.75,2673.53 3865.25,2673.53 3915,2723.28 3915,2986 3936,3007 4100,3007 4160,2947 v2(4160,2850)
M1B_CTRL: R22.1 R26.1 U0.23 | length 1471.3
  Top Layer w5: R26.1 3222.26,3250.39 3205.76,3233.89 3205.76,2964.24 3250,2920 3250,2830 3210,2790 3240,2790 v2(3256.64,2773.36) ; v2(3944.64,2690) 3967.07,2690 3972,2685.07 3972,2619.06 U0.23
  Bottom Layer w5: v2(3256.64,2773.36) 3256.64,2733.36 3380,2610 3870,2610 3906.1,2646.1 3906.1,2651.46 v2(3944.64,2690)
M2A_CTRL: R23.1 R27.1 U0.26 | length 1611.8
  Top Layer w5: R27.1 3220,2270 3250,2300 3250,2343 ; R23.1 3197,2838.37 3197,2816 3185.88,2804.87 3185.88,2684.12 3250,2620 3250,2343 ; v2(3297,2343) 3250,2343 ; v2(4030,2520) 4031.18,2521.18 4031.18,2616.58 U0.26
  Bottom Layer w5: v2(3297,2343) 3893,2343 4030,2480 v2(4030,2520)
M2B_CTRL: R24.1 R28.1 U0.42 | length 1942.5
  Top Layer w5: R28.1 3204,2377.56 3205.57,2379.13 v2@3205.57,2385 ; R24.1 3205.38,2870.57 3176.88,2842.07 3176.88,2667.39 3205.38,2638.89 3205.38,2394.29 3205.57,2394.1 3205.57,2387.43 v2(3208,2385) ; v2(4130,2870) 4131.12,2868.88 4222.18,2868.88 U0.42
  Bottom Layer w5: v2(3208,2385) 3845,2385 4020,2560 4020,2784.81 4105.19,2870 v2(4130,2870)
NetC15_2: C15.2 U0.5 X0.3 | length 213.3
  Top Layer w5: 3654,2800 3654,2869.2 X0.3 3698.66,2878.66 3727.13,2907.13 U0.5
NetC41_1: C41.1 D1.2 L1.1 U4.8 | length 913.6
  Top Layer w10: C41.1 3500.29,4380
  Top Layer w50: U4.8 3503.04,4380 D1.2@3503.04,4556.96
  Top Layer w100: D1.2 3904,4560 3920,4544 L1.1
NetC41_2: C41.2 U4.1 | length 74.6
  Top Layer w5: U4.1@3286,4308.94 U4.1
  Top Layer w10: U4.1@3286,4308.94 C41.2
NetC44_2: C44.2 R41.2 U4.6 | length 184.8
  Top Layer w10: U4.6 3548,4206.47 3569,4227.47 C44.2 3642,4227.47 3649.47,4220 R41.2
NetC45_2: C45.2 R41.1 | length 58.5
  Top Layer w10: R41.1 3749,4220 3755,4226 C45.2
NetC51_1: C51.1 D2.2 L2.1 U5.8 | length 925.6
  Top Layer w5: 3488,5350 3507.28,5330.72
  Top Layer w10: C51.1 3488,5350
  Top Layer w50: U5.8 3507.28,5330.72 3507.28,5425 3510.4,5428.12 D2.2 3667,5578.96 3762.18,5483.78 L2.1
NetC51_2: C51.2 U5.1 | length 76.4
  Top Layer w10: U5.1 3296,5278.28 C51.2
NetC54_2: C54.2 R51.2 U5.6 | length 169.4
  Top Layer w5: C54.2@3609,5175 C54.2 ; R51.2@3675.3,5176 R51.2
  Top Layer w10: U5.6 C54.2@3609,5175 ; C54.2 R51.2@3675.3,5176
NetC55_2: C55.2 R51.1 | length 66.3
  Top Layer w5: R51.1 R51.1@3724.7,5176
  Top Layer w10: R51.1@3724.7,5176 C55.2
NetCE3_1: CE3.1 JP8.1 JP9.1 S1.1 | length 1835
  Top Layer w100: JP8.1 2349.84,4441.73 2427.8,4519.68 2427.8,4529.53 2510,4611.73 2510,5321.74 2451.42,5380.32 2417.95,5380.32 JP9.1
  Bottom Layer w173: CE3.1 2670,4760 S1.1 2730,4896 2706,4920 CE3.1
NetJP1_3: JP1.3 R21.2 | length 109.7
  Top Layer w5: JP1.3 3100,2743.94 3105.56,2738.37 R21.2
NetJP1_4: JP1.4 R22.2 | length 109.4
  Top Layer w5: JP1.4 3101,2793.15 3105.78,2788.37 R22.2
NetJP1_5: JP1.5 R23.2 | length 109
  Top Layer w5: JP1.5 3101,2842.36 3104.99,2838.37 R23.2
NetJP1_6: JP1.6 R24.2 | length 108.7
  Top Layer w5: JP1.6 3102,2891.58 3105.2,2888.37 R24.2
NetLED1_1: LED1.1 R52.2 | length 156.4
  Top Layer w10: R52.2 3990,5120 4015,5095 LED1.1
NetLED2_1: LED2.1 R42.2 | length 94.8
  Top Layer w10: R42.2 4029,4193.5 4040.5,4205 LED2.1@4080,4205
NetR25_2: R25.2 U2.2 | length 96.7
  Top Layer w5: U2.2 3166.76,3200.39 3166.76,3190.39 R25.2
NetR26_2: R26.2 U2.3 | length 86.7
  Top Layer w5: U2.3 R26.2
NetR27_2: R27.2 U3.2 | length 78.8
  Top Layer w5: U3.2 3115,2265 3120,2270 R27.2
NetR28_2: R28.2 U3.3 | length 78.8
  Top Layer w5: U3.3 3115,2315 3120,2320 R28.2
NetR43_2: R43.2 U4.4 | length 78.6
  Top Layer w5: U4.4 3288.47,4120.03 3293.5,4115 R43.2
NetR44_1: R44.1 R45.1 U4.5 | length 445.8
  Top Layer w10: U4.5 3658,4156.47 3695.03,4193.5 R44.1 3882.5,4226 R45.1
NetR53_2: R53.2 U5.4 | length 75.3
  Top Layer w5: R53.2@3292.72,5050.78 R53.2
  Top Layer w10: R53.2@3292.72,5050.78 U5.4
NetR54_1: R54.1 R55.1 U5.5 | length 448
  Top Layer w10: U5.5 3831.5,5125 R54.1 3892.5,5186 R55.1
NetRS1_2: RS1.2 U2.7 | length 140
  Top Layer w30: RS1.2@2735.98,3210 2799,3210 2808.61,3200.39 U2.7
NetRS2_2: RS2.2 U3.7 | length 155.1
  Top Layer w30: RS2.2 2785,2290 2810,2265 U3.7
NRST: C0.2 C9.2 JP11.4 R2.1 SW2.2 SW2.3 U0.7 | length 2647
  Top Layer w5: U0.7 3952.24,2867.76 4090,2730 ; SW2.2 SW2.3 ; R2.1 4074,3518.39 4071.83,3520.56 SW2.3 ; C0.2 4136,2276 JP11.4 4150,2210 4240,2210 4250,2220 4250,2570 4162.88,2657.12 4162.88,2658.33 4155.61,2665.59 4154.41,2665.59 4090,2730 ; SW2.3 4071.83,3524.61 4071.83,3518.39 4080,3510.23 4087.71,3502.52 4096.09,3502.52 4163,3435.61 4163,2963 4090,2890 4090,2730
PA0_WAKEUP: R1.2 SW1.2 SW1.3 U0.14 | length 1788.9
  Top Layer w5: R1.2 3731.06,3946.78 3731.83,3946 SW1.2 SW1.3 3731.83,3493 3548.83,3310 3440,3310 3410,3280 3410,3040 3440,3010 3472,3010 3510,2972 3510,2783 3563.04,2729.96 U0.14
PA1: JP2.1 U0.15 | length 4351.1
  Top Layer w5: v2(2792.14,3780) 2625.26,3946.88 2625.26,5922.33 2672.93,5970 2846.5,5970 JP2.1 ; U0.15 3782.5,2710.14 3840.14,2710.14 v2(3860,2730)
  Bottom Layer w5: v2(2792.14,3780) 3032.14,3540 3387,3540 3903.36,3023.64 3903.36,2763.36 3887.9,2747.9 3877.9,2747.9 v2(3860,2730)
PA2: JP3.1 U0.16 | length 5251.2
  Top Layer w5: v2(2810,2550) 2810,2840 2577,3073 2577,3530 2643,3596 2643,3829 2600,3872 2600,5946 2644,5990 2946.5,5990 JP3.1 ; v2(3643,2401) 3769,2527 3769,2690.59 U0.16
  Bottom Layer w5: v2(2810,2550) 3030,2550 3170,2410 3633.71,2410 3642.71,2401 v2(3643,2401)
PA3: JP4.1 U0.17 | length 4340.6
  Top Layer w5: v2(2570,3880) 2570,4528.36 2591,4549.36 2591,5877.87 2580,5888.87 v4(2580,5890) ; v2(3854.28,2691.43) 3854.74,2690.98 3854.74,2618.21 U0.17
  Bottom Layer w5: v2(2570,3880) 2640,3880 3000,3520 3380,3520 3890,3010 3890,2919 3834.64,2863.64 3834.64,2703.64 3844.41,2693.87 3851.85,2693.87 v2(3854.28,2691.43) ; v4(2580,5890) 2610,5920 JP4.1
PA4: R61.1 R62.2 U0.20 | length 1763.4
  Top Layer w5: R61.1 R62.2 2977,3510 3020.71,3466.29 3020.71,3321.66 3064.42,3277.95 3181.89,3277.95 3196.76,3263.09 3196.76,3171.64 3170,3144.89 v2(3170,2980) ; v2(3911.84,2690.9) 3914.25,2688.49 U0.20
  Bottom Layer w5: v2(3170,2980) 3250,2900 3510,2900 3745.47,2664.53 3888.78,2664.53 3899.73,2675.48 3899.73,2677.14 3911.84,2689.25 v2(3911.84,2690.9)
PA5: U0.21
PA6: U0.22
PA10: U0.43
PA11: U0.44
PA12: U0.45
PA13: JP11.2 R3.1 U0.46 | length 1424.8
  Top Layer w5: R3.1 3904,2318 3920,2302 3920,2260 JP11.2 3974,2186 4240,2186 4259,2205 4259,2659 4240,2678 4180,2678 4175,2683 4175,2698 4110,2763 4110,2876.5 4180,2946.5 U0.46
PA14: JP11.1 R4.2 U0.49 | length 1242.2
  Top Layer w5: v2(4061,2789) 4061,2913.53 4150.47,3003 U0.49 4150.47,3248 4128.47,3270 R4.2
  Bottom Layer w5: JP11.1 3818.04,2258.04 3848.04,2258.04 4061,2471 v2(4061,2789)
PA15: U0.50
PB1: U0.27
PB2: U0.28
PB3: U0.55
PB4: JP6.3 U0.56 | length 2626.4
  Top Layer w5: v4(3990,3190) 4012.68,3167.32 U0.56
  Bottom Layer w5: JP6.3 2250,3630 2250,3817.07 2342.93,3910 3504,3910 3990,3424 v4(3990,3190)
PB5: JP6.4 U0.57 | length 2386.5
  Top Layer w5: v2(3837,2904) 3968.99,2904 3992.99,2928 U0.57
  Bottom Layer w5: JP6.4 2260,3420 2260,3030 2270,3020 3390,3020 3401.03,3008.97 3501.03,3008.97 3529,2981 3760,2981 v2(3837,2904)
PB6: JP5.3 U0.58 | length 2288.6
  Top Layer w5: v2(3530,2820) 3530,3120 3550,3140 3675.55,3140 3788.05,3027.5 3799.1,3027.5 3861.6,2965 3965,2965 3973.31,2973.31 U0.58
  Bottom Layer w5: JP5.3 2359,2619 3168,2619 3240,2691 3240,2780 3270,2810 3520,2810 v2(3530,2820)
PB7: JP5.4 U0.59 | length 2213.1
  Top Layer w5: v2(3953.41,2983.71) 3953.51,2983.81 3953.51,3058.59 U0.59
  Bottom Layer w5: JP5.4 2416,2576 3334,2576 3410,2500 3830,2500 3962.79,2632.79 3962.79,2924.02 3953.41,2933.41 v2(3953.41,2983.71)
PB8: JP7.3 U0.61 | length 604.9
  Top Layer w5: JP7.3 3460,3170 3658.28,3170 3791.78,3036.5 3804.78,3036.5 3856,2985.28 3891.28,2985.28 3914.25,3008.25 U0.61
PB9: JP7.4 U0.62 | length 521.4
  Top Layer w5: v2(3800,3060) 3800,3056.96 3856.96,3000 3880,3000 3894.44,3014.44 3894.44,3058.57 U0.62
  Bottom Layer w5: JP7.4 v2(3800,3060)
PB10: U0.29
PB11: U0.30
PB12: JPLED0.2 U0.33 | length 673.6
  Top Layer w5: U0.33 4268.41,2690.59 4599,2360 JPLED0.2
PB13: JPLED0.3 U0.34 | length 640.4
  Top Layer w5: U0.34 4273.77,2710.28 4524.04,2460 JPLED0.3
PB14: JPLED0.5 U0.35 | length 565.7
  Top Layer w5: U0.35 4690.02,2729.98 JPLED0.5
PB15: JPLED0.6 U0.36 | length 541
  Top Layer w5: U0.36 4749.65,2749.65 JPLED0.6
PC0: U0.8
PC1: U0.9
PC2: U0.10
PC3: U0.11
PC4: U0.24
PC5: U0.25
PC6: JPLED1.2 U0.37 | length 1078.1
  Top Layer w5: U0.37 4539.33,2769.33 4588,2818 4588,3268 JPLED1.2
PC7: JPLED1.3 U0.38 | length 1099.6
  Top Layer w5: U0.38 4439.02,2789.02 4490,2840 4490,3260 v2(4510,3280)
  Bottom Layer w5: v2(4510,3280) 4760,3530 JPLED1.3
PC8: JPLED1.5 U0.39 | length 1268.1
  Top Layer w5: U0.39 4418.7,2808.7 4450,2840 4450,3390 v2(4470,3410)
  Bottom Layer w5: v2(4470,3410) 4755.59,3695.59 4755.59,3735.59 JPLED1.5
PC9: JPLED1.6 U0.40 | length 1521.9
  Top Layer w5: U0.40 4224.11,2829.19 4309.19,2829.19 v2(4310,2830)
  Bottom Layer w5: v2(4310,2830) 4560,2830 4870.65,3140.65 4870.65,3729.35 JPLED1.6
PC10: JP10.4 U0.51 | length 791.7
  Top Layer w5: U0.51 4111.1,3222.2 v2(4131,3242.1)
  Bottom Layer w5: v2(4131,3242.1) 4131,3391 JP10.4
PC11: JP10.3 U0.52 | length 1062.4
  Top Layer w5: v2(4090,3160) 4090.71,3159.29 4090.71,3059.41 U0.52
  Bottom Layer w5: v2(4090,3160) 4091.22,3161.22 4091.22,3181.22 4100,3190 4220,3190 4560,3530 4560,3700 JP10.3
PC12: U0.53
PC13: U0.2
PC14: U0.3
PC15: U0.4
PD2: U0.54
VBAT: C21.2 C22.2 C42.2 C43.2 C52.2 C53.2 CE1.1 CE2.1 R61.2 S1.2 U2.5 U3.5 U4.2 U5.2 | length 5092.3
  Top Layer w30: CE2.1 2620.59,2509.41 2620.59,2470.09 2638.16,2452.52 2830.93,2452.52 2848.5,2434.95 2848.5,2430 C22.2 2853.5,2400.25 2860.75,2393 U3.5 ; CE1.1 2733,3372.52 2750.48,3390 C21.2 ; C22.2@2849,2430 2849,2861 2620,3090 2620,3260 2670,3310 2846.14,3310 2855.74,3300.39 U2.5 2872,3344 2873.5,3345.5 C21.2 ; C52.2 3025.76,5023.78 2918.98,4917 S1.2 2918.98,4581.02 3025.76,4474.24 C43.2 ; U4.2 3169,4256.47 3144,4281.47 C43.2 ; C21.2 2873.5,3423 2876,3425.5 R61.2 2837.57,3460 2820,3477.57 2820,3826 2671.5,3974.5 2671.5,3978.85 2646.76,4003.6 2646.76,4119.34 2680.76,4153.34 2680.76,4246.47 2715.76,4281.47 C42.2 C43.2
  Top Layer w50: C52.2 3137,5181.47 3180.53,5225 U5.2
  Top Layer w100: C53.2 C52.2
VCC3V3: C1.2 C2.2 C3.2 C4.2 C5.2 C6.2 C7.2 C8.2 C12.2 C13.2 C14.1 JP5.5 JP6.5 JP7.1 JP11.5 R2.2 R3.2 SW1.1 SW1.4 U0.1 U0.13 U0.19 U0.32 U0.48 U0.64 U1.2 X0.4 | length 8684.3
  Top Layer w5: U1.2@3352.77,3581.77 3352.77,3821.77 3352.77,3872.7 3366,3885.92 C12.2 ; C5.2@3828.83,3136.39 C5.2 ; R3.2@3852.75,2373.25 R3.2 ; U0.19 3894.57,2584.17 U0.19@3895.36,2584.96 ; v2@3916.87,3150 v2(3920,3150) ; U0.32@4150.47,2582 U0.32 ; U0.48@4236.13,2985.87 4250.34,2985.87 U0.48@4258.67,2985.87 ; JP11.5 4210,2263.79 4218.04,2271.83 4220,2273.79 4220,2260 JP11.5
  Top Layer w10: X0.4 3663.46,3080.54 3652,3092 3652,3095 3650,3097 3647,3097 v2(3644,3100) 3641,3100 3636,3095 3636,3092 3550,3006 3550,2780 3580.35,2749.65 U0.13 3870.35,2749.65 3895.36,2724.64 3895.36,2699.68 3893.98,2698.3 3893.98,2683.51 3895.36,2682.13 U0.19@3895.36,2584.96 ; X0.4@3663.46,2963.31 3682.09,2981.93 3684.06,2981.93 3687.99,2985.87 U0.1 ; C5.2@3828.83,3136.39 3833.67,3136.39 3855.2,3114.87 U0.64 ; C5.2 3828.83,3160 3828.83,3166 3833.5,3170.67 ; R3.2@3852.75,2373.25 3852.75,2384.57 3896.5,2428.32 C4.2 ; U0.19@3894.57,2584.17 3894.57,2568.44 3904,2559 C8.2 3904,2483.5 3896.5,2476 C4.2 ; SW1.4 3909,3357 ; v2@3916.87,3150 3896.2,3170.67 3833.5,3170.67 ; R2.2 3936,3330 3909,3357 ; U0.32@4150.47,2582 4161,2582 4184,2559 C7.2 4184,2482.5 C3.2 4220,2450 4230,2440 4230,2410.5 ; JP11.5@4218.04,2271.83 4218.04,2288.04 4229.65,2299.65 ; U0.48 U0.48@4236.13,2985.87 ; 4230,2300 4230,2410 4061,2410 4021,2450 C4.2 ; v2(4250,3100) 4270,3080 4270,3019.74 ; U0.48@4250.34,2985.87 4251.17,2986.7 4251.17,3000.91 4270,3019.74 ; C2.2 4396.76,3019.74 4364,3019.74 C6.2 4270,3019.74 ; 3833.5,3170.67 C1.2 3775.86,3200 3770,3205.86 3770,3310 3800,3340 3892,3340 3909,3357
  Top Layer w12: JP5.5 2230,2450 2230,3050 ; JP6.5 2230,3290 2230,3050 ; v1(2520,3050) 2230,3050
  Top Layer w20: C13.2 3632,3642.5 3650,3660.5 3650,4016 3694,4060 3860,4060 3909,4011 SW1.1 SW1.4
  Top Layer w50: U1.2@3352.77,3581.77 3424,3581.77 ; JP7.1 3450,3555.77 3424,3581.77 ; C13.2 3495.73,3642.5 3435,3581.77 3424,3581.77
  Bottom Layer w10: JP7.1 3644,3166 v2(3644,3100) ; v2(3920,3150) 3950,3120 4230,3120 v2(4250,3100)
  Bottom Layer w12: v1(2520,3050) 3340,3050 3380,3090 3380,3330 3410,3360 JP7.1
pads on no net: JP1.1 JP1.8 JP7.5 JP7.6 JP7.7 JP7.8 JP7.9 JP7.10 JP11.3 S1.3 U0.6 U4.3 U5.3 USB1.2 USB1.3 USB1.7 USB1.8 USB2.2 USB2.3 USB2.7 USB2.8 X0.1

## Polygon pours and split planes (outlines as drawn)
GND on Top Layer "NONET_L01_P-001" (solid, shelved, pour order 0): 2170,6050 4910,6050 4910,2150 2170,2150
GND on Bottom Layer "NONET_L01_P-001" (solid, shelved, pour order 1): 2170,6050 4910,6050 4910,2150 2170,2150

## Silkscreen, mask and mechanical layers (free items; w line width, h text height)
Top Overlay:
  drawing of 6754 lines, arcs and shapes, not listed
  text "CLK" at 3760,2300.67 h60
  text "DIO" at 3870,2300.67 h60
  text "NRST" at 4020,2300.67 h60
  text "3V3" at 4165,2300.67 h60
  text "GND" at 4270,2300.67 h60
  text "zramo.github.io" at 3200.06,2171.27 h60
  text "SW" at 3660,2160.67 h60
Mechanical 1:
  the board outline again, w10

## Text inside footprints (layer, text, board x,y; h text height)
USB1: Top Overlay "GND" at 4430,5820 h40; Top Overlay "D+" at 4430,5700 h40; Top Overlay "D-" at 4430,5620 h40; Top Overlay "VCC" at 4430,5500 h40
USB2: Top Overlay "GND" at 4430,4860 h40; Top Overlay "D+" at 4430,4740 h40; Top Overlay "D-" at 4430,4660 h40; Top Overlay "VCC" at 4430,4540 h40